# KiCad board ulx4m_panel.kicad_pcb (continued)
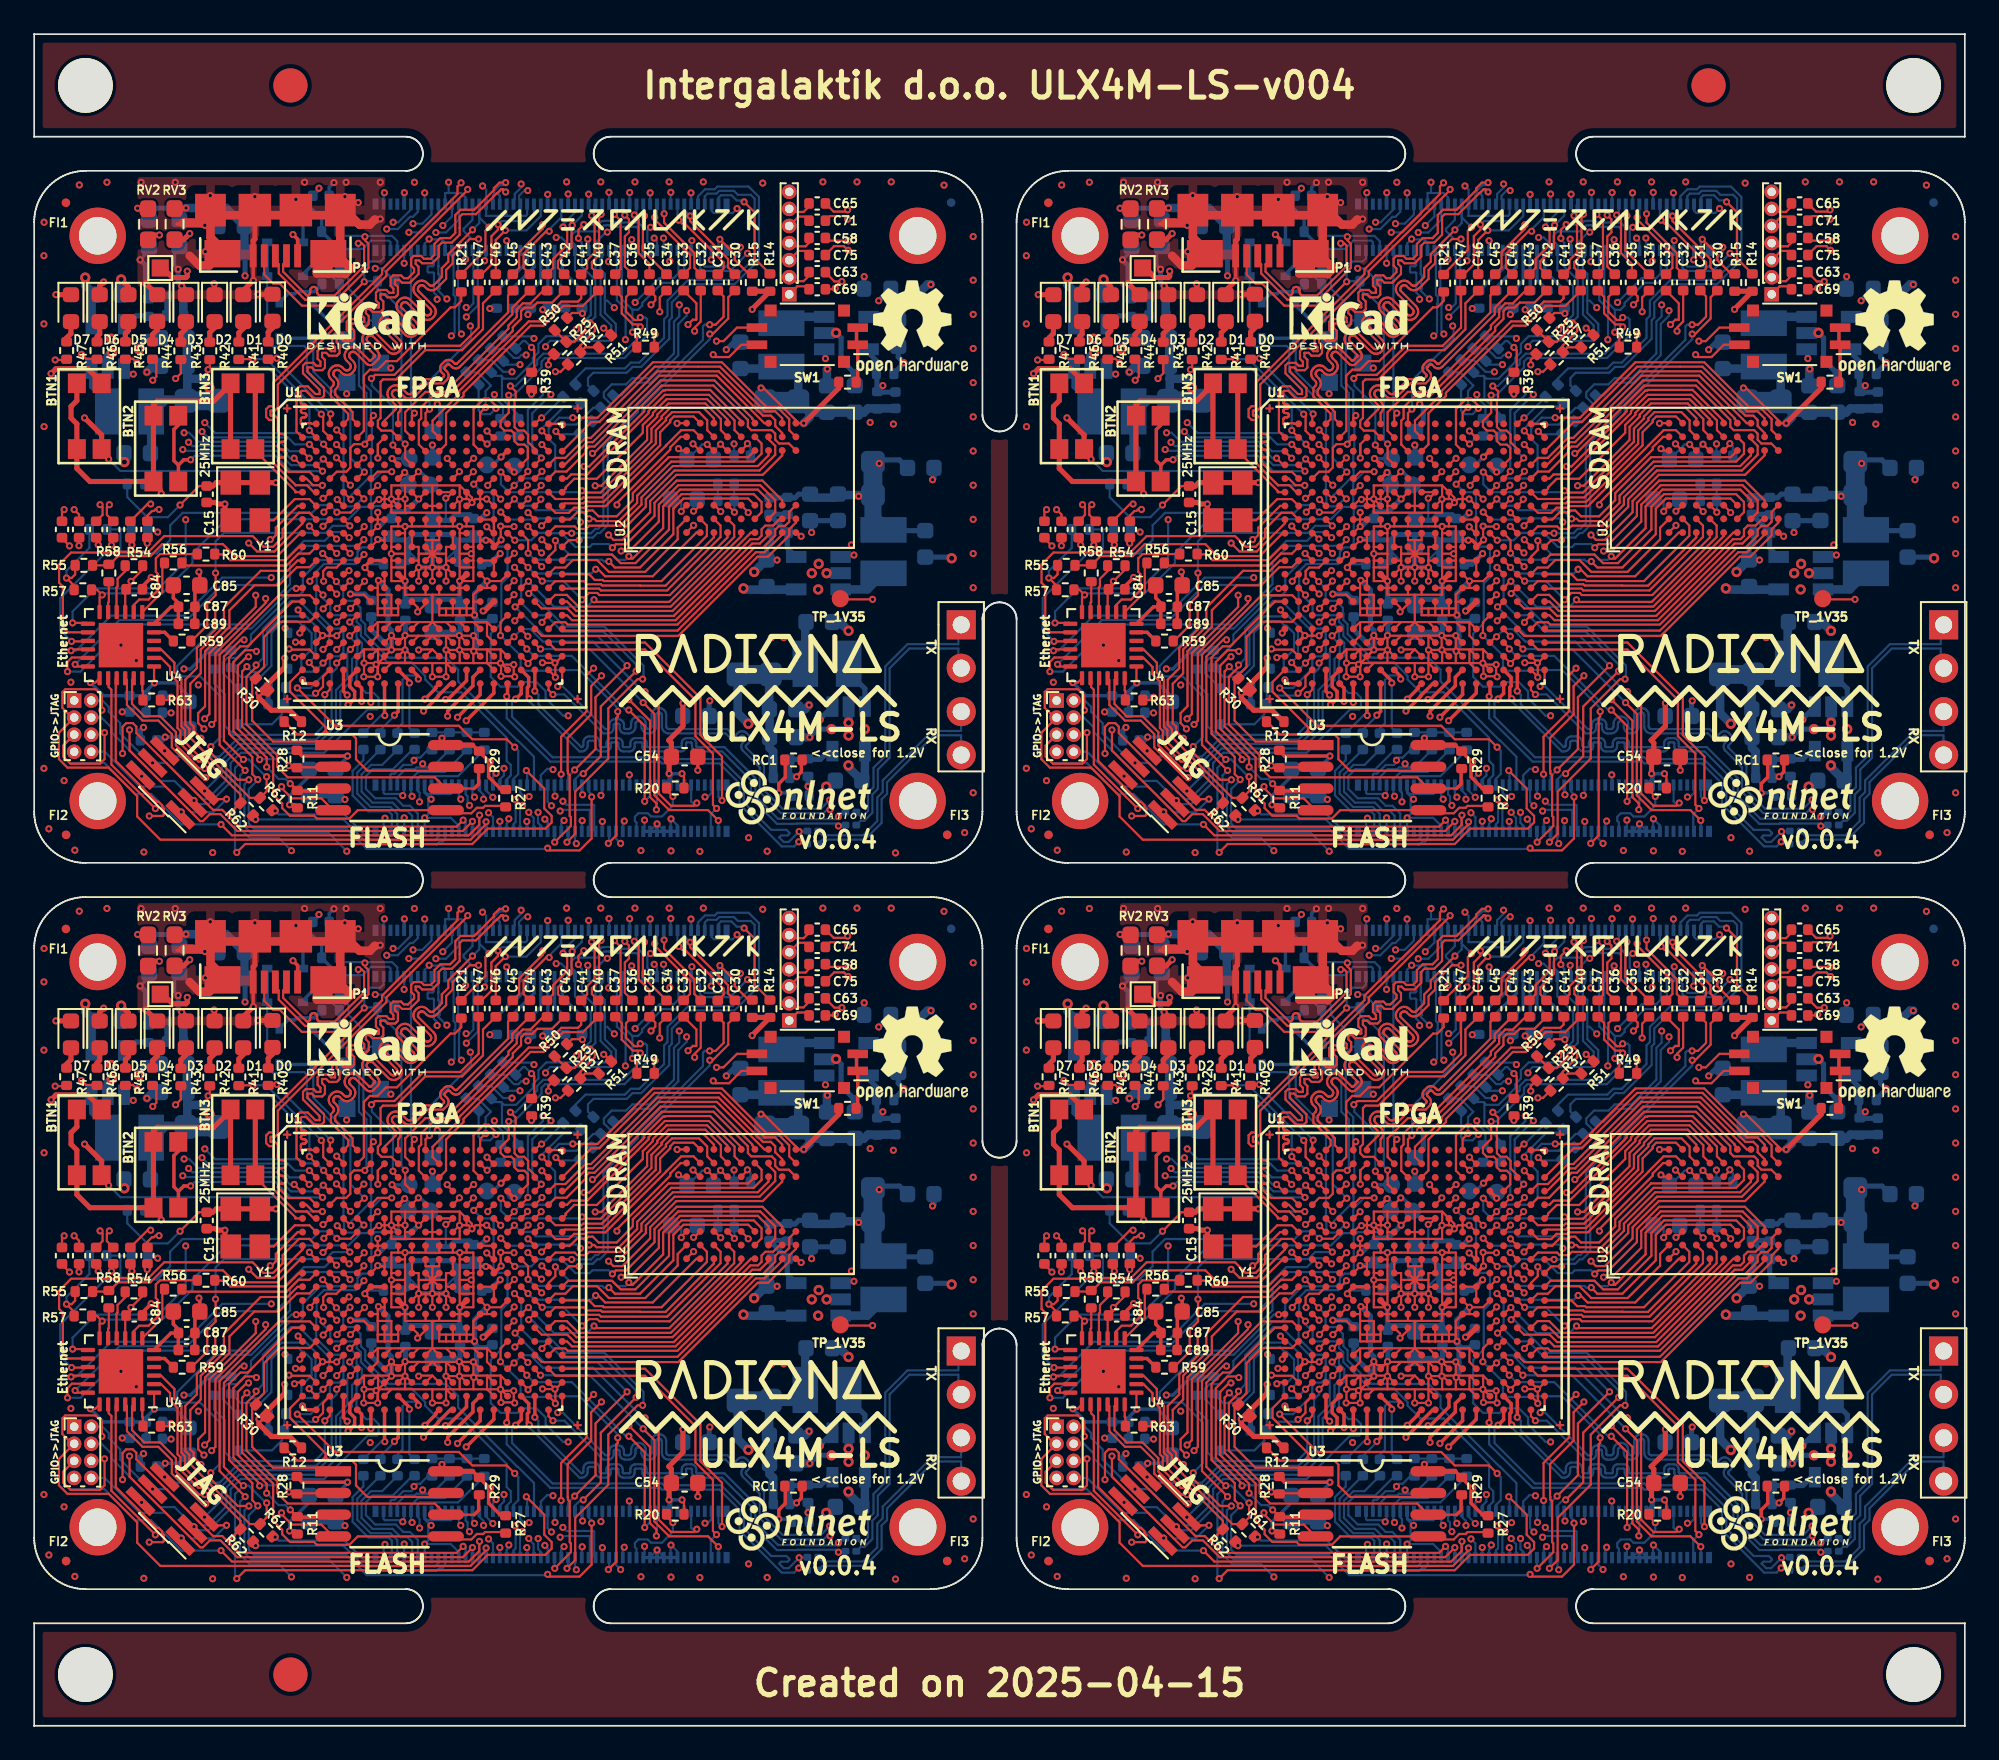
[diagram p0: board, top side]
## Routing (per net, layer and track width the routed paths; a pad name or vN(x,y) marks a point on that pad's centre or on a via; arc(x,y) is an arc through that point) (continued)
Board_0-Net-(U1B-GR_PCLK1_1): length 10.3
  Top w0.127: U1#2.E12 24.89,73.38 v1(24.89,73.4)
  In2signal.Cu w0.127: v1(24.89,73.4) 24.89,76.53 25.52,77.16 25.52,77.89 27.63,80 28.11,80 v1(28.44,79.66)
  Bottom w0.127: R38#2.1 27.68,79.66 v1(28.44,79.66)
Board_0-Net-(U1B-PT80A): length 9.8
  Top w0.127: U1#2.D13 25.69,74.18 v1(25.73,74.18) ; R25#3.2 30.1,79.95 v1(30.1,79.65)
  In2signal.Cu w0.127: v1(30.1,79.65) 29.83,79.65 28.26,78.08 28.26,77.41 27.32,76.48 26.15,76.48 25.29,75.62 25.29,74.85 25.73,74.41 v1(25.73,74.18)
Board_0-Net-(U1B-PT80B): length 10.9
  Top w0.127: R37#3.1 30.82,79.25 v1(30.51,79.25) ; U1#2.E13 v1(25.71,73.4)
  In2signal.Cu w0.127: v1(30.51,79.25) 29.79,79.25 28.51,77.97 28.51,77.31 27.43,76.23 26.26,76.23 25.55,75.52 25.55,74.94 26.13,74.36 26.13,73.82 v1(25.71,73.4)
Board_0-Net-(U1B-PT83A): length 4.3
  Top w0.127: U1#2.A14 26.11,76.85 v1(26.43,77.16)
  Bottom w0.127: R24#2.2 25.97,79.2 26.74,78.44 26.43,78.12 v1(26.43,77.16)
Board_0-Net-(U1B-PT83B): length 7.3
  Top w0.127: U1#2.C14 25.72,74.99 25.72,77.06 26.34,77.67 26.6,77.67 27.03,77.25 v1(27.03,77.1)
  Bottom w0.127: R36#2.1 26.02,76.98 26.24,76.76 26.69,76.76 v1(27.03,77.1)
Board_0-Net-(U1B-PT112A): length 1.5
  Top w0.2: v1(27.33,74.26) 27.67,74.6 U1#2.C16
  Bottom w0.2: TP_C16#3.1 26.87,73.8 v1(27.33,74.26)
Board_0-Net-(U1B-PT112B): length 0.9
  Top w0.2: U1#2.D16 27.71,73.77 v1(28.1,73.38)
  Bottom w0.2: TP_D16#4.1 28.11,73.39 v1(28.1,73.38)
Board_0-Net-(U1B-PT119A): length 2.3
  Top w0.127: U1#2.A18 29.66,76.55 v1(29.7,76.55)
  Bottom w0.127: R23.2 29.74,76.55 v1(29.7,76.55)
Board_0-Net-(U1B-PT119B): length 3.6
  Top w0.127: U1#2.B19 v1(29.72,75.79)
  Bottom w0.127: v1(29.72,75.79) 29.72,75.92 31.02,77.21 31.83,77.21 R35#3.1
Board_0-Net-(U1B-PT121A): length 3.5
  Top w0.127: U1#2.A19 30.88,76.2 v1(30.92,76.16)
  Bottom w0.127: v1(30.92,76.16) 31.75,76.16 32.73,77.14 R22#4.2
Board_0-Net-(U1B-PT121B): length 2
  Top w0.127: v1(30.54,75.76) 30.55,75.76 U1#2.B20
  Bottom w0.127: v1(30.54,75.76) 30.71,75.59 31.9,75.59 R34#2.1
Board_0-nEXTRST: length 16.9
  Top w0.127: U1#2.U20 35.76,63.4 39,60.16 39,57.99 40.26,56.72 v1(40.26,54.16)
  Bottom w0.127: J1.100 40.06,54.36 v1(40.26,54.16)
Board_0-PCIe_CLK_N: length 35.9
  Top w0.127: v1(1.75,71.18) 1.63,71.05 C66#3.2
  In2signal.Cu w0.127: v1(20.64,87.6) 20.83,87.41 20.83,85.94 20.65,85.77 20.65,85.64 20.83,85.47 20.83,84.7 17.71,81.58 17.29,81.58 17.06,81.8 16.43,81.8 16.28,81.65 16.28,81.02 16.5,80.79 16.5,80.71 15.37,79.58 15.3,79.58 15.13,79.74 14.84,79.74 14.59,79.49 14.59,79.2 15.09,78.71 15.09,78.6 14.98,78.5 14.91,78.5 14.4,79.01 14.11,79.01 13.82,78.72 13.82,78.03 12.05,76.25 12.05,76.02 12.21,75.86 12.21,75.84 12.05,75.68 12.03,75.68 11.87,75.84 11.64,75.84 9.26,73.47 3.02,73.47 2.78,73.23 2.57,73.23 2.53,73.27 2.32,73.27 2.32,73.06 2.36,73.02 2.36,72.81 1.91,72.36 1.91,71.45 1.75,71.28
  Bottom w0.127: J2#2.12 22.46,88.6 22.17,88.31 22,88.31 21.29,87.6 v1(20.64,87.6)
Board_0-PCIe_CLK_nREQ: length 19.2
  Top w0.127: v1(23.14,77.06) 22.91,76.83 U1#2.A10
  In2signal.Cu w0.127: v1(25.53,81.93) 25.8,82.2 25.8,83.22 24.7,84.32 24.7,88.09 23.8,88.99 21.24,88.99 v1(20.5,89.73)
  Bottom w0.127: v1(23.14,77.06) 23.15,77.07 23.15,78.74 25.58,81.17 25.58,81.88 v1(25.53,81.93) ; J2#2.2 20.46,89.68 v1(20.5,89.73)
Board_0-PCIe_CLK_P: length 35.3
  Top w0.127: C59#4.1 2.63,70.89 v1(2.34,71.18)
  In2signal.Cu w0.127: v1(21.02,88) 21.08,87.93 21.08,86.78 21.33,86.53 21.33,86.48 21.08,86.23 21.08,84.59 17.81,81.32 17.18,81.32 16.95,81.55 16.53,81.55 16.53,81.12 16.76,80.9 16.76,80.6 15.48,79.32 15.19,79.32 15.03,79.49 14.95,79.49 14.85,79.38 14.85,79.31 15.06,79.09 15.07,79.09 15.34,78.82 15.34,78.5 15.09,78.24 14.8,78.24 14.29,78.75 14.22,78.75 14.11,78.65 14.11,78.57 14.28,78.41 14.28,78.12 12.3,76.15 12.3,76.13 12.47,75.96 12.47,75.73 12.16,75.42 11.93,75.42 11.76,75.59 11.74,75.59 9.37,73.22 3.13,73.22 2.19,72.28 2.19,71.33 v1(2.34,71.18)
  Bottom w0.127: v1(21.02,88) 21.31,88 22.06,88.74 J2#2.10
Board_0-PCIe_nRST: length 10.3
  Top w0.127: v1(22.26,76.82) 22.11,76.68 U1#2.A9
  Bottom w0.127: v1(22.26,76.82) 22.06,77.02 J2#2.9
Board_0-PCIe_RX_N: length 35.2
  Top w0.127: v1(3.86,71.47) 4,71.32 4,70.87 C67#2.2
  In2signal.Cu w0.127: v1(3.86,71.47) 4,71.61 4,71.9 4.38,72.27 4.94,72.27 5.22,72 5.22,71.49 5.34,71.36 5.47,71.49 5.47,72.62 5.74,72.88 5.97,72.88 6.23,72.62 6.23,72.39 6.35,72.27 6.67,72.27 7.24,72.84 7.68,72.84 7.78,72.94 7.98,72.94 8.08,72.84 8.28,72.84 8.38,72.94 8.58,72.94 8.68,72.84 10.33,72.84 10.33,73.01 10.16,73.17 10.16,73.54 10.33,73.71 10.7,73.71 10.87,73.54 11.03,73.54 11.04,73.56 11.04,73.72 10.88,73.88 10.88,74.26 11.04,74.42 11.41,74.42 11.58,74.26 11.74,74.26 14.04,76.56 22.42,84.94 22.42,87.26 22.28,87.41 v1(21.93,87.41)
  Bottom w0.127: J2#2.18 23.66,88.45 22.61,87.41 v1(21.93,87.41)
Board_0-PCIe_RX_P: length 35.5
  Top w0.127: C61#4.1 4.26,70.87 4.26,71.32 v1(4.4,71.47)
  In2signal.Cu w0.127: v1(4.4,71.47) 4.26,71.61 4.26,71.79 4.48,72.02 4.84,72.02 4.96,71.89 4.96,71.38 5.24,71.11 5.45,71.11 5.73,71.38 5.73,72.51 5.84,72.63 5.87,72.63 5.98,72.51 5.98,72.28 6.24,72.02 6.77,72.02 7.34,72.59 7.62,72.59 7.82,72.39 7.92,72.39 8.12,72.59 10.43,72.59 10.58,72.74 10.58,73.11 10.42,73.27 10.42,73.44 10.43,73.45 10.6,73.45 10.76,73.29 11.13,73.29 11.29,73.45 11.29,73.82 11.13,73.99 11.13,74.15 11.15,74.17 11.31,74.17 11.47,74 11.85,74 11.93,74.09 22.8,84.96 23.11,84.96 23.24,85.09 23.11,85.21 22.8,85.21 22.68,85.34 22.68,87.41 v1(22.18,87.91)
  Bottom w0.127: v1(22.18,87.91) 22.72,87.91 23.26,88.45 J2#2.16
Board_0-PCIe_TX_N: length 34.9
  Top w0.127: C72#3.2 6.64,71.51 v1(6.82,71.51)
  In2signal.Cu w0.127: v1(23.51,87.39) 23.66,87.25 23.66,84.58 19.27,80.19 18.88,80.19 15.08,76.38 14.87,76.18 14.84,76.13 14.81,76.08 14.8,76.03 14.8,75.97 14.81,75.92 14.84,75.86 14.87,75.82 14.98,75.72 14.98,75.71 14.98,75.71 14.78,75.51 14.77,75.51 14.77,75.51 14.67,75.61 14.62,75.65 14.57,75.67 14.52,75.69 14.46,75.69 14.41,75.67 14.35,75.65 14.31,75.61 14.28,75.59 14.23,75.52 14.19,75.44 14.17,75.36 14.17,75.27 14.19,75.19 14.23,75.11 14.28,75.05 14.59,74.74 14.61,74.72 14.62,74.69 14.63,74.66 14.63,74.63 14.62,74.59 14.61,74.56 14.59,74.54 14.56,74.52 14.53,74.5 14.5,74.5 14.47,74.5 14.44,74.5 14.41,74.52 14.38,74.54 14.08,74.84 14.01,74.9 13.93,74.93 13.85,74.95 13.77,74.95 13.68,74.93 13.61,74.9 13.54,74.84 13.51,74.81 13.45,74.74 13.42,74.67 13.4,74.58 13.4,74.5 13.42,74.41 13.45,74.34 13.51,74.27 13.95,73.83 13.97,73.8 13.98,73.77 13.99,73.74 13.99,73.71 13.98,73.67 13.97,73.64 13.95,73.62 13.92,73.6 13.9,73.58 13.86,73.58 13.83,73.58 13.8,73.58 13.77,73.6 13.74,73.62 13.3,74.06 13.23,74.12 13.16,74.15 13.07,74.17 12.99,74.17 12.9,74.15 12.83,74.12 12.76,74.06 12.73,74.03 12.67,73.96 12.64,73.89 12.62,73.8 12.62,73.72 12.64,73.64 12.67,73.56 12.73,73.49 13.17,73.05 13.19,73.02 13.21,72.99 13.21,72.96 13.21,72.93 13.21,72.9 13.19,72.87 13.17,72.84 13.15,72.82 13.12,72.81 13.09,72.8 13.05,72.8 13.02,72.81 12.99,72.82 12.97,72.84 12.52,73.29 12.45,73.34 12.38,73.38 12.29,73.4 12.21,73.4 12.13,73.38 12.05,73.34 11.98,73.29 10.82,72.12 8.24,72.12 7.7,71.59 7.12,71.59 7.04,71.51 v1(6.82,71.51)
  Bottom w0.127: v1(23.51,87.39) 24.11,87.39 24.86,88.15 24.86,88.91
Board_0-PCIe_TX_P: length 34.6
  Top w0.127: v1(7.31,71.19) 7.1,71.19 7.01,71.1 6.9,71.1 6.63,70.83 C55#3.1
  In2signal.Cu w0.127: v1(7.31,71.19) 7.4,71.28 7.76,71.28 8.35,71.87 8.76,71.87 8.93,71.69 9.06,71.69 9.23,71.87 10.93,71.87 12.15,73.09 12.17,73.11 12.2,73.12 12.24,73.13 12.27,73.13 12.3,73.12 12.33,73.11 12.36,73.09 12.8,72.64 12.87,72.59 12.94,72.55 13.03,72.53 13.11,72.53 13.2,72.55 13.27,72.59 13.34,72.64 13.37,72.68 13.42,72.74 13.46,72.82 13.48,72.9 13.48,72.99 13.46,73.07 13.42,73.15 13.37,73.21 12.93,73.66 12.91,73.68 12.89,73.71 12.89,73.75 12.89,73.78 12.89,73.81 12.91,73.84 12.93,73.86 12.95,73.89 12.98,73.9 13.01,73.91 13.05,73.91 13.08,73.9 13.11,73.89 13.13,73.86 13.58,73.42 13.64,73.37 13.72,73.33 13.8,73.31 13.89,73.31 13.97,73.33 14.05,73.37 14.12,73.42 14.15,73.45 14.2,73.52 14.24,73.6 14.26,73.68 14.26,73.77 14.24,73.85 14.2,73.93 14.15,73.99 13.7,74.44 13.68,74.46 13.67,74.49 13.66,74.52 13.66,74.56 13.67,74.59 13.68,74.62 13.7,74.64 13.73,74.66 13.76,74.68 13.79,74.68 13.82,74.68 13.86,74.68 13.89,74.66 13.91,74.64 14.21,74.34 14.28,74.29 14.36,74.25 14.44,74.23 14.53,74.23 14.61,74.25 14.69,74.29 14.75,74.34 14.79,74.37 14.84,74.44 14.88,74.52 14.9,74.6 14.9,74.68 14.88,74.77 14.84,74.84 14.79,74.91 14.48,75.21 14.46,75.24 14.45,75.27 14.44,75.3 14.44,75.33 14.45,75.37 14.46,75.39 14.48,75.42 14.49,75.42 14.5,75.42 14.6,75.32 14.64,75.28 14.69,75.26 14.75,75.25 14.8,75.25 14.86,75.26 14.91,75.28 14.95,75.32 15.17,75.53 15.2,75.58 15.23,75.63 15.24,75.68 15.24,75.74 15.23,75.79 15.2,75.85 15.17,75.89 15.07,75.99 15.06,76 15.07,76 18.99,79.93 19.38,79.93 19.88,80.42 19.88,80.43 23.92,84.48 23.92,86.02 24.07,86.17 24.27,86.17 24.42,86.32 24.27,86.47 24.07,86.47 23.92,86.62 v1(23.92,87.8)
  Bottom w0.127: v1(23.92,87.8) 24.46,88.34 J2#2.22
Board_0-PWRBTn: length 20.8
  Top w0.2: v1(21.69,73.36) 21.33,73 U1#2.E8
  Bottom w0.127: 15.73,66.37 15.5,66.14 14.97,66.14 12.69,63.86 12.69,63.32 11.87,62.5 11.3,62.5 11.05,62.24 11.05,61.61 D28#4.1 ; 15.73,66.37 15.73,66.35 ; 15.73,66.37 15.73,67.22 16.74,68.23 18.7,68.23 18.93,68.46 18.93,68.71 18.94,68.71 19.2,68.97 19.55,68.97 19.74,69.15 19.74,71.17 19.96,71.39 21.06,71.39 21.33,71.66 21.33,72.08 TP_E8#3.1
  Bottom w0.2: v1(21.69,73.36) 21.9,73.15 TP_E8#3.1
Board_0-RGMII_REF_CLK: length 22.6
  Top w0.127: U4.14 1.98,64 1.68,64.3 1.68,66.71 1.65,66.71 1.46,66.9 1.46,67.97 2.16,68.67 4.76,68.67 4.8,68.71 6.69,68.71 7.61,69.63 12.79,69.63 13.41,69.01 13.99,69.01 14.55,69.56 14.55,70.04 15.5,71 16.11,71 U1#2.H2
Board_0-RGMII_RX_DV: length 13.6
  Top w0.127: U1#2.J1 15.57,69.8 14.23,68.46 11.75,68.46 11.05,69.16 8.47,69.16 8.47,69.16 7.5,69.16 6.8,68.46 4.91,68.46 4.43,67.98 R58.1 4.31,67.92 R55#3.2
Board_0-RGMII_RXD0: length 5.6
  Top w0.127: R60.2 10.59,68.56 11.14,68.56 11.48,68.22 14.72,68.22 15.5,69 U1#2.K1
Board_0-RGMII_RXD1: length 8.4
  Top w0.127: U1#2.K2 16.12,68.61 15.47,68.61 14.77,67.91 8.8,67.91 R56.2
Board_0-RGMII_TX_CLK: length 15.2
  Top w0.127: v1(18.48,70.23) U1#2.H4 ; R59#2.2 9.21,63.49 10.13,64.41 10.13,65.67 10.62,66.16 10.62,67.47 v1(10.62,67.47)
  Bottom w0.127: v1(18.48,70.23) 17.48,70.23 17.07,69.82 11.11,69.82 10.62,69.32 v1(10.62,67.47)
Board_0-RGMII_TX_EN: length 19.8
  Top w0.127: U1#2.K3 17.69,68.62 v1(17.71,68.62) ; v1(2.16,62.92) 2.24,63 U4.16
  In2signal.Cu w0.127: v1(13.88,67.2) 15.67,68.99 17.05,68.99 17.42,68.62 v1(17.71,68.62)
  Bottom w0.127: v1(2.16,62.92) 2.46,62.92 4.51,64.98 8.79,64.98 11.01,67.2 v1(13.88,67.2)
Board_0-RGMII_TXD0: length 23.8
  Top w0.127: U1#2.K5 19.3,69.39 v1(19.3,69.42) ; U4.17 3.12,62.52 2.21,62.52 1.95,62.27 v1(1.95,61.7)
  Bottom w0.127: v1(19.3,69.42) 18.93,69.06 15.93,69.06 14.98,68.11 14.98,66.82 12.62,64.46 5.47,64.46 2.71,61.7 v1(1.95,61.7)
Board_0-RGMII_TXD1: length 21.2
  Top w0.127: U1#2.J4 18.37,69.54 v1(18.44,69.54) ; U4.18 2.53,62 v1(2.4,62.12)
  Bottom w0.127: v1(18.44,69.54) 18.11,69.87 17.52,69.87 17,69.35 15.79,69.35 14.67,68.23 14.67,67.3 14.14,66.77 10.99,66.77 8.94,64.72 4.99,64.72 v1(2.4,62.12)
Board_0-RUN_PG: length 20.1
  Top w0.127: U1#2.U16 28.05,63.74 v1(28.1,63.74) ; v1(35.76,60.52) 36.56,59.72 36.56,54.57 37.28,53.85 38.63,53.85 v1(38.79,54.01)
  Bottom w0.127: J1.92 38.46,54.09 38.56,53.99 38.78,53.99 v1(38.79,54.01) ; v1(35.76,60.52) 35.64,60.52 32.71,63.46 29.78,63.46 29.05,64.19 28.54,64.19 v1(28.1,63.74)
Board_0-SCL0: length 14.8
  Top w0.127: v1(28.84,63.02) 28.84,63.06 U1#2.U17 ; v1(35.74,54.1) 35.74,58.52 v1(34.81,59.45)
  Bottom w0.127: J1.80 36.06,54.42 v1(35.74,54.1) ; v1(34.81,59.45) 34.64,59.45 31.47,62.62 29.25,62.62 v1(28.84,63.02)
Board_0-SD_CLK: length 45.5
  Top w0.127: U1#2.G1 15.43,71.4 14.15,70.12 14.15,69.68 13.87,69.41 13.84,69.41 v1(13.82,69.43) ; v1(10.6,65.44) 10.6,64.16 9.52,63.08 9.52,61.9 8.85,61.22 8.85,58.58 9.09,58.34 9.09,57.87 10.04,56.92 10.37,56.92 11.92,55.37 v1(12.57,55.37)
  In2signal.Cu w0.127: v1(13.82,69.43) 13.82,69.39 10.6,66.17 v1(10.6,65.44) ; v1(18.3,51.19) 18.4,51.29 29.39,51.29 30.2,52.1 31.44,52.1 31.74,51.8 v1(31.74,51.63)
  Bottom w0.127: v1(18.3,51.19) 17.24,52.25 12.69,52.25 12.31,52.63 12.31,53.34 12.31,55.1 v1(12.57,55.37) ; v1(31.74,51.63) 31.66,51.71 J1.57
Board_0-SD_CMD: length 40.5
  Top w0.127: v1(13.09,55.38) 12.77,55.7 12.77,56.71 11.41,58.06 11.41,62.52 12.07,63.18 12.5,63.18 15.12,65.8 U1#2.P1 ; v1(32.63,54.36) 32.63,51.94 31.93,51.23 30.19,51.23 v1(30.06,51.37)
  Bottom w0.127: v1(32.63,54.36) 32.63,54.51 32.46,54.68 J1.62 ; v1(13.09,55.38) 13.09,55.35 12.56,54.82 12.56,52.8 12.87,52.5 18.29,52.5 19.47,51.32 30.01,51.32 v1(30.06,51.37)
Board_0-SD_D0: length 28.7
  Top w0.127: U1#2.B15 26.89,75.4 v1(26.51,75.78)
  In2signal.Cu w0.127: v1(30.95,54.11) 30.95,54.65 30.57,55.02 30.35,55.02 29.97,55.4 29.97,59.53 29.97,59.54 29.97,60.84 29.05,61.76 28.67,61.76 28.48,61.95 28.48,62.33 27.7,63.11 27.7,64.01 27.2,64.51 27.2,65.62 26.04,66.77 26.04,71.9 26.13,71.99 26.13,72.81 26.39,73.07 26.4,73.07 26.4,74.47 25.95,74.92 25.95,75.22 v1(26.51,75.78)
  Bottom w0.127: v1(30.95,54.11) 31.16,53.9 32.74,53.9 32.78,53.86 32.78,52.42 J1.63
Board_0-SD_D1: length 19.4
  Top w0.127: v1(27.3,63.81) 27.3,63.81 27.3,64.59 U1#2.R16 ; v1(34.16,59.36) 34.16,59.06 34.07,58.97 34.07,52.11 v1(33.61,51.65)
  Bottom w0.127: v1(33.61,51.65) 33.66,51.69 J1.67 ; v1(27.3,63.81) 28.47,62.63 28.47,61.8 28.53,61.75 30.13,61.75 30.17,61.79 31.93,61.79 34.16,59.55 v1(34.16,59.36)
Board_0-SD_D2: length 29
  Top w0.127: U1#2.E14 26.06,73 v1(25.73,72.67)
  In2signal.Cu w0.127: v1(34.33,51.65) 34.12,51.85 34.12,56.25 v1(31.26,59.12)
  Bottom w0.127: J1.69 34.06,51.92 v1(34.33,51.65) ; v1(31.26,59.12) 30.96,59.12 29.94,60.14 29.94,60.55 29.41,61.08 28.56,61.08 28.29,60.82 27.3,60.82 26.73,61.39 26.73,63.91 27.35,64.53 27.35,66.85 27.71,67.21 27.71,68.83 27.53,69.01 27.14,69.01 26.9,69.26 26.9,71.99 26.69,72.2 26.2,72.2 v1(25.73,72.67)
Board_0-SD_D3: length 41.7
  Top w0.127: v1(12.35,55.92) 10.85,57.41 10.85,62.68 14.34,66.17 16.14,66.17 U1#2.P2
  In2signal.Cu w0.127: v1(30.79,53.54) 30.79,53.35 30.62,53.18 30.62,52.9 29.29,51.58 15.42,51.58 v1(15.06,51.22)
  Bottom w0.127: v1(15.06,51.22) 14.32,51.96 12.62,51.96 12.05,52.52 12.05,55.62 v1(12.35,55.92) ; v1(30.79,53.54) 30.86,53.6 32.53,53.6 32.53,53.6 32.53,52.42 J1.61
Board_0-SD_PWR_ON: length 29.5
  Top w0.127: v1(37.39,54.39) 37.02,54.76 R20.1 ; v1(26.55,72.6) 26.55,72.64 U1#2.E15
  In2signal.Cu w0.127: v1(26.55,72.6) 26.9,72.25 26.9,68.83 26.67,68.61 26.67,67.57 27.14,67.1 27.14,66.1 27.48,65.76 27.48,64.7 27.97,64.21 28.25,64.21 28.5,63.96 28.5,63.27 28.44,63.21 28.44,62.85 28.72,62.57 29.09,62.57 29.35,62.31 29.35,61.94 29.51,61.78 30.83,61.78 36.05,56.56 36.05,55.43 37.09,54.39 v1(37.39,54.39)
  Bottom w0.127: v1(37.39,54.39) 37.39,53.85 36.75,53.22 36.11,53.22 35.92,53.41 35.37,53.41 35.16,53.2 35.16,52.96 35.26,52.86 J1.75
Board_0-SDA0: length 16.6
  Top w0.127: v1(28.9,63.76) 28.51,64.15 U1#2.T17 28.51,64.17 ; v1(34.81,60.07) 36.05,58.82 36.05,54.36 36.42,53.98 v1(36.42,53.62)
  In2signal.Cu w0.127: v1(28.9,63.76) 29.2,63.46 29.81,63.46 33.21,60.07 v1(34.81,60.07)
  Bottom w0.127: v1(36.42,53.62) 36.46,53.65 J1.82
Board_0-SDRAM_A0: length 20.6
  Top w0.127: 27.71,70.64 v1(27.31,71.03) ; 27.71,70.64 U1#2.H16 27.71,70.64 ; U2#2.H7 43.79,74.35 42.65,73.21 37.59,73.21 36.06,71.68 36.06,71.03 34.44,69.41 33.91,69.41 v1(33.63,69.69)
  In2signal.Cu w0.127: v1(31.98,70.45) 32.73,69.69 v1(33.63,69.69)
  Bottom w0.127: v1(27.31,71.03) 27.75,70.6 29.49,70.6 29.55,70.66 31.76,70.66 v1(31.98,70.45)
Board_0-SDRAM_A1: length 17.9
  Top w0.127: U2#2.H8 43.79,75.66 43.38,76.07 43.38,76.42 43.13,76.68 42.66,76.68 40.07,79.27 36.49,79.27 32.59,75.38 32.27,75.38 31.1,74.21 30.52,74.21 U1#2.D19
Board_0-SDRAM_A2: length 24.3
  Top w0.127: U1#2.F16 28.1,72.59 v1(28.1,72.6) ; v1(31.53,76.56) 32.98,76.56 36.22,79.8 40.26,79.8 42.87,77.19 43.49,77.19 44.2,76.48 44.2,75.83 U2#2.J8
  Bottom w0.127: v1(31.53,76.56) 30.73,76.56 30.15,75.98 30.15,75.95 30.12,75.92 30.12,75.32 30.5,74.94 30.5,73.4 30.1,73 29.34,73 29.33,73.01 28.51,73.01 v1(28.1,72.6)
Board_0-SDRAM_A3: length 19.6
  Top w0.127: v1(32.68,74.47) 32.76,74.47 36.73,78.44 39.77,78.44 41.78,76.42 41.78,76.03 41.98,75.83 43.18,75.83 43.38,75.62 43.38,75.27 43.6,75.05 44.18,75.05 U2#2.J7 ; v1(29.73,73.42) 29.73,73.41 U1#2.E18
  In2signal.Cu w0.127: v1(29.73,73.42) 30.78,74.47 v1(32.68,74.47)
Board_0-SDRAM_A4: length 18.1
  Top w0.127: U2#2.J3 44.2,71.05 44.2,70.47 43.96,70.23 43.6,70.23 43.38,70 43.38,69.66 42.65,68.94 42.14,68.94 37.65,64.45 31.23,64.45 31.1,64.59 30.5,64.59 U1#2.T19
Board_0-SDRAM_A5: length 18.6
  Top w0.127: U1#2.T18 29.72,63.79 37.71,63.79 42.35,68.43 42.96,68.43 44.2,69.67 44.2,70.02 44.59,70.41 U2#2.J2
Board_0-SDRAM_A6: length 19.8
  Top w0.127: U1#2.J16 28.12,69.39 v1(28.14,69.39) ; v1(33.85,68.95) 34.05,69.15 34.66,69.15 36.31,70.81 36.31,71.57 37.62,72.88 42.63,72.88 43.79,71.72 U2#2.H3
  Bottom w0.127: v1(28.14,69.39) 29.1,69.39 29.53,69.82 29.91,69.82 29.94,69.79 30.88,69.79 31.68,68.99 32.51,68.99 32.68,69.16 33.63,69.16 v1(33.85,68.95)
Board_0-SDRAM_A7: length 17.4
  Top w0.127: U1#2.P18 29.71,65.39 31.21,65.39 31.64,64.96 37.44,64.96 41.93,69.45 42.38,69.45 42.58,69.65 42.58,70.02 42.8,70.25 43.26,70.25 43.65,70.64 U2#2.H2
Board_0-SDRAM_A8: length 15.4
  Top w0.127: U1#2.T20 31.01,64.1 37.66,64.1 42.25,68.68 42.76,68.68 43.79,69.72 U2#2.H1
Board_0-SDRAM_A9: length 17.4
  Top w0.127: U2#2.G3 42.99,71.72 42.36,72.35 37.8,72.35 36.82,71.36 36.82,70.1 35.04,68.32 34.94,68.32 v1(34.81,68.44) ; U1#2.L19 30.11,68.42 30.51,68.82 v1(30.51,69.37)
  Bottom w0.127: v1(34.81,68.44) 34.6,68.23 34.12,68.23 33.81,68.55 31.33,68.55 v1(30.51,69.37)
Board_0-SDRAM_A10: length 16.5
  Top w0.127: U2#2.H9 43.79,76.52 43.38,76.93 42.76,76.93 40.15,79.54 36.33,79.54 33.09,76.3 32.62,76.3 U1#2.C20
Board_0-SDRAM_A11: length 18.5
  Top w0.127: U2#2.G2 43.38,71.03 43.38,71.73 42.5,72.61 37.7,72.61 36.57,71.47 36.57,70.47 34.96,68.87 34.48,68.87 v1(34.36,68.75) ; U1#2.K19 30.11,69.03 v1(29.72,69.42)
  In2signal.Cu w0.127: v1(29.72,69.42) 30.59,68.55 34.16,68.55 v1(34.36,68.75)
Board_0-SDRAM_A12: length 14.4
  Top w0.127: U2#2.G1 42.99,69.7 42.48,69.19 42.04,69.19 37.55,64.7 31.48,64.7 31.19,65 U1#2.R20
Board_0-SDRAM_BA0: length 15.4
  Top w0.127: U2#2.G7 42.99,74.35 42.36,73.73 37.39,73.73 35.55,71.89 35.55,71.47 34.32,70.24 32.5,70.24 32.31,70.05 31.79,70.05 31.64,70.19 30.51,70.19 U1#2.J19
Board_0-SDRAM_BA1: length 21.4
  Top w0.127: v1(34.15,69.83) 34.29,69.83 35.81,71.34 35.81,71.79 37.49,73.47 42.46,73.47 43.38,74.39 43.38,74.91 42.99,75.3 U2#2.G8 ; v1(28.11,68.62) 27.71,68.22 U1#2.L16
  In2signal.Cu w0.127: v1(34.15,69.83) 32.58,71.41 31.85,71.41 31.17,70.73 31.17,70.64 29.53,70.64 29.31,70.42 29.3,70.42 29.3,69.81 v1(28.11,68.62)
Board_0-SDRAM_CKE: length 17.7
  Top w0.127: v1(28.91,68.63) 28.91,69.39 U1#2.J17 ; U2#2.F3 41.8,71.83 38.01,71.83 37.42,71.23 37.42,69.74 35.46,67.79 34,67.79 v1(33.64,68.15)
  Bottom w0.127: v1(33.64,68.15) 33.34,68.15 33.25,68.24 29.3,68.24 v1(28.91,68.63)
Board_0-SDRAM_CLK: length 15.8
  Top w0.127: U2#2.F2 42.58,71.03 42.58,71.62 42.12,72.08 37.9,72.08 37.16,71.35 37.16,70.01 35.2,68.04 34.33,68.04 33.83,68.55 31.26,68.55 U1#2.L20
Board_0-SDRAM_D0: length 12.5
  Top w0.127: v1(28.9,70.2) 28.91,70.2 U1#2.J18 ; U2#2.A8 37.85,75.44 37.24,74.83 37.24,74.7 34.12,71.57 v1(34.12,71.46)
  In2signal.Cu w0.127: v1(34.12,71.46) 33.88,71.69 31.77,71.69 31.18,71.1 29.6,71.1 28.9,70.4 v1(28.9,70.2)
Board_0-SDRAM_D1: length 10.9
  Top w0.127: U1#2.G20 31.06,71.54 32.15,71.54 32.24,71.63 33.34,71.63 36.64,74.94 36.64,75.71 37.24,76.3 37.24,76.42 37.44,76.63 38.6,76.63 U2#2.B9
Board_0-SDRAM_D2: length 11.2
  Top w0.127: U1#2.G19 30.52,70.99 31.3,70.99 31.6,71.29 32.25,71.29 32.34,71.38 33.44,71.38 37,74.94 37,74.95 37.88,75.83 38.6,75.83 U2#2.B8
Board_0-SDRAM_D3: length 17.2
  Top w0.127: U1#2.E16 27.33,73.38 v1(27.32,73.38) ; U2#2.C9 39.79,76.52 39.17,77.13 37.23,77.13 36.73,76.63 36.73,76.51 36.14,75.92 36.14,75.15 33.16,72.18 32.18,72.18 v1(32.07,72.28)
  Bottom w0.127: v1(27.32,73.38) 27.32,72.66 27.78,72.2 28.82,72.2 28.83,72.21 29.1,72.21 29.11,72.2 31.99,72.2 v1(32.07,72.28) 32.07,72.21 32.05,72.19
Board_0-SDRAM_D4: length 13.4
  Top w0.127: U2#2.C8 39.4,75.83 39.4,76.4 38.92,76.88 37.34,76.88 36.98,76.52 36.98,76.41 36.39,75.81 36.39,75.04 33.23,71.89 32.13,71.89 32.04,71.8 30.51,71.8 U1#2.F19
Board_0-SDRAM_D5: length 13
  Top w0.127: U1#2.F20 31.11,72.4 31.11,72.48 31.62,72.98 32.94,72.98 35.63,75.67 35.63,76.13 36.22,76.72 36.22,76.84 37.02,77.64 39.4,77.64 40.59,76.45 U2#2.D9
Board_0-SDRAM_D6: length 16.8
  Top w0.127: U1#2.H18 v1(28.91,71) ; U2#2.D8 40.2,75.83 40.2,76.48 39.29,77.39 37.13,77.39 36.47,76.73 36.47,76.62 35.88,76.02 35.88,75.25 33.2,72.58 v1(32.84,72.58)
  In2signal.Cu w0.127: v1(32.84,72.58) 32.63,72.79 31.99,72.79 30.56,71.36 29.27,71.36 v1(28.91,71)
Board_0-SDRAM_D7: length 15.6
  Top w0.127: v1(32.19,73.71) 32.49,73.71 35.71,76.93 35.71,77.05 36.81,78.15 36.93,78.15 36.96,78.18 39.57,78.18 41.39,76.37 U2#2.E9 ; v1(29.68,72.6) 29.68,72.57 U1#2.F18
  In2signal.Cu w0.127: v1(32.19,73.71) 32.09,73.81 30.85,73.81 29.68,72.64 v1(29.68,72.6)
Board_0-SDRAM_D8: length 13.6
  Top w0.127: U1#2.P19 30.5,66.19 31.18,66.19 31.87,65.5 37.26,65.5 41.39,69.63 U2#2.E1
Board_0-SDRAM_D9: length 16.3
  Top w0.127: v1(32.77,65.9) 32.9,65.78 37.18,65.78 40.98,69.57 40.98,70.25 U2#2.D2 ; v1(28.93,66.98) 28.9,66.98 U1#2.N17
  Bottom w0.127: v1(28.93,66.98) 30.43,65.49 32.36,65.49 v1(32.77,65.9)
Board_0-SDRAM_D10: length 13.8
  Top w0.127: U2#2.D1 40.59,69.55 37.21,66.18 33.09,66.18 32.97,66.3 32.48,66.3 v1(32.08,65.9) ; 29.7,67 29.74,67 v1(29.74,66.99) 29.71,66.99 U1#2.M18
  Bottom w0.127: v1(32.08,65.9) 30.99,66.99 v1(29.74,66.99)
Board_0-SDRAM_D11: length 11.9
  Top w0.127: U2#2.C2 40.18,70.25 40.18,69.58 37.05,66.45 33.18,66.45 33.07,66.55 30.95,66.55 U1#2.N20
Board_0-SDRAM_D12: length 11.4
  Top w0.127: U1#2.N19 30.5,66.99 32.19,66.99 32.37,66.81 33.18,66.81 33.25,66.74 35.47,66.74 35.48,66.73 36.96,66.73 39.79,69.55 U2#2.C1
Board_0-SDRAM_D13: length 10.9
  Top w0.127: U2#2.B2 39.38,70.25 39.38,69.65 36.73,67 33.35,67 33.28,67.06 32.81,67.06 32.48,67.4 U1#2.M20
Board_0-SDRAM_D14: length 10.4
  Top w0.127: U1#2.M19 30.5,67.79 31.1,67.79 31.54,68.23 32.95,68.23 33.64,67.54 35.77,67.54 37.67,69.44 37.67,70.12 U2#2.A2
Board_0-SDRAM_D15: length 12.1
  Top w0.127: U2#2.B1 38.77,69.84 36.21,67.28 33.42,67.28 33.01,67.69 v1(32.87,67.69) ; U1#2.L17 v1(28.91,67.8)
  Bottom w0.127: v1(32.87,67.69) 32.62,67.44 29.27,67.44 v1(28.91,67.8)
Board_0-SDRAM_DQM0: length 13.9
  Top w0.127: U2#2.E8 41,75.83 41,76.4 39.5,77.9 36.92,77.9 35.97,76.94 35.97,76.83 32.38,73.24 31.43,73.24 31.19,73 U1#2.E20
Board_0-SDRAM_DQM1: length 13.4
  Top w0.127: U1#2.P20 31.19,65.8 31.74,65.25 37.37,65.25 41.96,69.84 U2#2.F1
Board_0-SDRAM_nCAS: length 13.5
  Top w0.127: U2#2.F7 41.8,74.25 37.15,74.25 35.04,72.14 35.04,71.73 34.1,70.79 33.04,70.79 32.7,71.13 32.45,71.13 32.34,71.02 31.78,71.02 31.36,70.6 U1#2.H20
Board_0-SDRAM_nCS: length 15.4
  Top w0.127: U1#2.D20 31.05,73.8 32.38,75.12 32.7,75.12 36.59,79.02 39.96,79.02 42.74,76.24 U2#2.G9
Board_0-SDRAM_nRAS: length 18.6
  Top w0.127: v1(32.49,70.64) 32.79,70.64 32.92,70.51 34.23,70.51 35.3,71.57 35.3,72 37.29,73.99 42.12,73.99 42.58,74.45 42.58,75.05 U2#2.F8 ; U1#2.G16 v1(28.11,71.8)
  Bottom w0.127: v1(32.49,70.64) 31.99,71.14 29.37,71.14 29.1,71.41 28.5,71.41 v1(28.11,71.8)
Board_0-SDRAM_nWE: length 15.7
  Top w0.127: U1#2.E19 30.52,73.41 31.16,73.41 32.28,74.53 32.28,74.67 32.48,74.87 32.8,74.87 36.67,78.74 39.82,78.74 42.03,76.53 42.03,76.48 42.19,76.33 U2#2.F9
Board_0-SRCLK1N: length 1.4
  Top w0.127: C69.2 45.19,84.25 44.67,84.25 J5#2.1
Board_0-SRCLK1P: length 1.6
  Top w0.127: C63#2.1 45.36,84.87 45.04,84.55 44.43,84.55 J5#2.2
Board_0-SRX11N: length 1.5
  Top w0.127: J5#2.5 44.75,88.33 45.12,88.33 C71#3.2
Board_0-SRX11P: length 1.5
  Top w0.127: C65.1 45.36,88.92 45.04,88.6 44.38,88.6 J5#2.6
Board_0-STX11N: length 1.5
  Top w0.127: C75#4.2 45.12,86.32 44.74,86.32 J5#2.3
Board_0-STX11P: length 1.6
  Top w0.127: C58#3.1 45.36,86.8 45.15,86.59 44.39,86.59 J5#2.4
Board_0-SW1: length 24.2
  Top w0.127: v1(39.75,80.25) 39.89,80.11 40.68,80.11 41.4,80.83 SW1#4.4 ; v1(29.71,67.84) 29.35,68.2 U1#2.L18
  In2signal.Cu w0.127: v1(29.71,67.84) 31.73,67.84 32.37,67.2 35.07,67.2 35.82,67.95 35.82,76.54 39.53,80.25 v1(39.75,80.25)
Board_0-SW2: length 24.4
  Top w0.127: SW1#4.3 41.14,81.83 40.35,81.04 v1(39.94,81.04) ; v1(29.7,68.64) 29.66,68.64 U1#2.K18
  In2signal.Cu w0.127: v1(39.94,81.04) 35.57,76.66 35.57,68.11 35.1,67.65 33.49,67.65 33.02,68.12 30.23,68.12 v1(29.7,68.64)
Board_0-US2_ID: length 23.1
  Top w0.127: 13.47,85.73 13.47,84.93 13.99,84.41 14.38,84.41 15.67,83.11 17.92,83.11 v1(19.32,84.51) ; v1(21.72,75.02) 21.72,74.19 U1#2.D9
  Bottom w0.127: J2#2.1 20.46,85.89 20.27,85.7 19.67,85.7 19.32,85.35 v1(19.32,84.51) 19.36,84.55 R19.1 20.1,84.08 20.38,83.8 20.58,83.8 21.5,82.88 21.5,75.24 v1(21.72,75.02)
Board_0-USB_FPGA_D+: length 23.1
  Top w0.127: v1(19.86,76.69) 19.71,76.54 U1#2.A6 ; v1(18.54,71.78) 18.52,71.78 U1#2.F4
  Bottom w0.127: 17.36,86.55 17.36,86.16 17.87,85.65 R5#2.2 17.87,85.21 18.4,84.68 18.4,84.12 D8.1 19.64,82.25 19.27,81.87 19.27,78.57 19.71,78.13 19.71,76.83 v1(19.86,76.69) 19.77,76.6 19.77,74.46 19.71,74.4 19.71,73.52 19.73,73.5 19.73,73.19 18.54,72 v1(18.54,71.78)